# Altium PCB PCB2.PcbDoc (part 2 of 2)
Units mil, origin at the board's own origin, x right, y up, seen from the top; angles counter-clockwise.
Board outline 4322 x 2063 mil, 2 copper layers (Top Layer, Bottom Layer); 126 components, 114 nets, 474 pads, 142 vias.
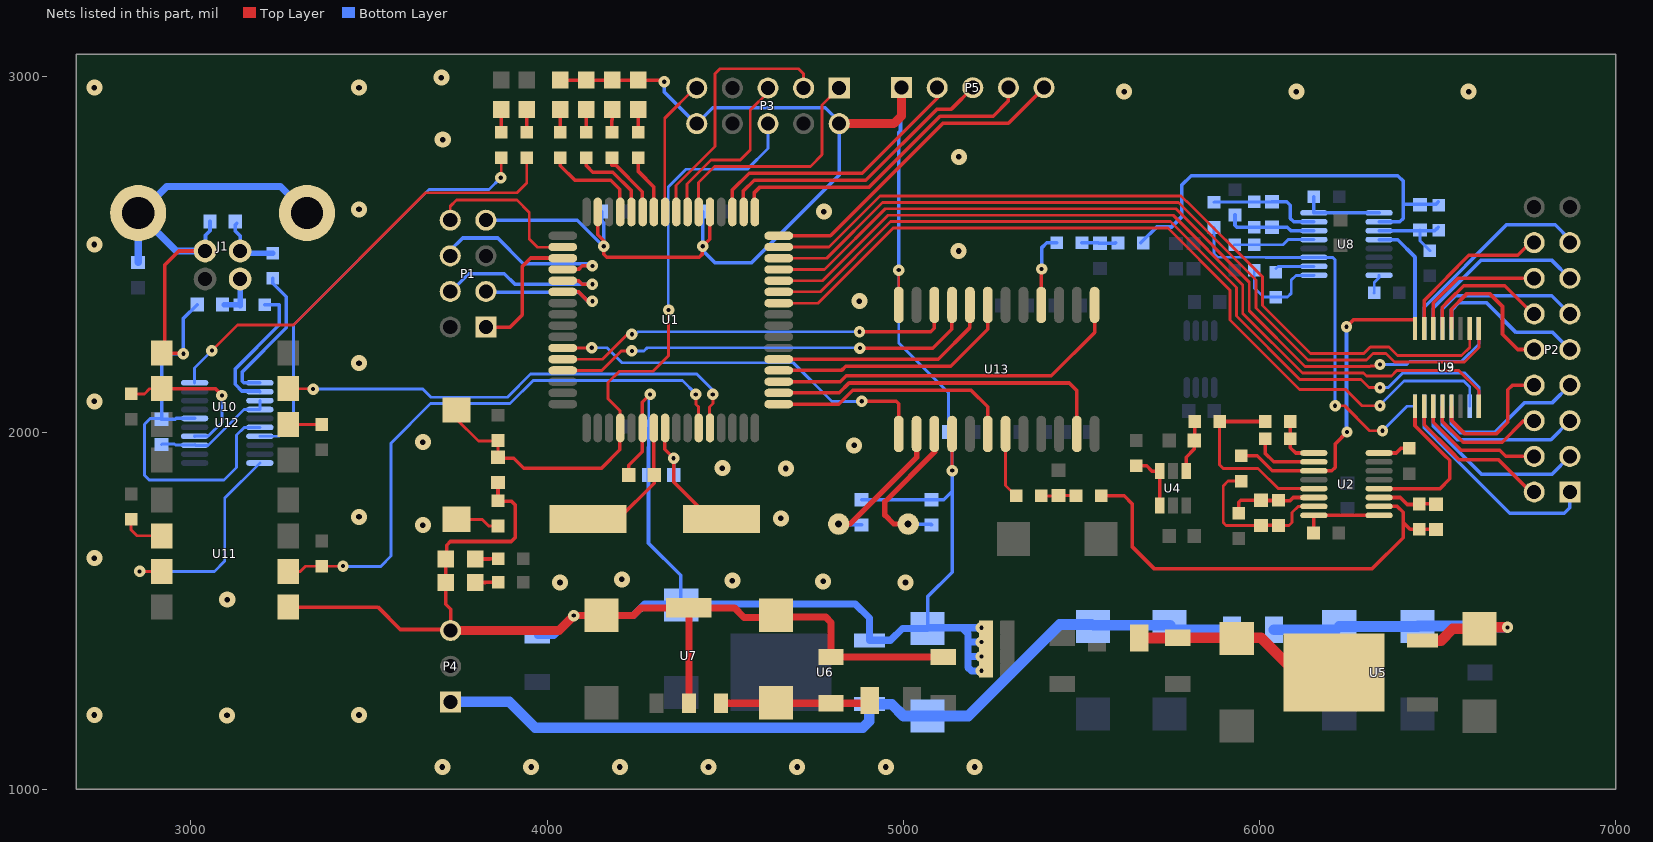
[diagram p2: the nets of this part, all layers, seen from the top]

## Via types
v1: diameter 32, hole 11.81, Top Layer to Bottom Layer, 74 vias
v2: diameter 45, hole 15.75, Top Layer to Bottom Layer, 68 vias

## Nets (pads, with @x,y where several pads share a name; then routed paths per layer and width w, separated by ;. In a path a pad name is that pad's centre, name@x,y a point inside that pad or via, vN(x,y) a via of type N, cw(c..) or ccw(c..) an arc to the next point about the centre after c; other vN are vias at no path point) (continued)
AT_NRST: C1.2 P3.6 R1.1 S1.2 U1.20 | length 1868.2
  Top Layer w8: S1.2@3745,2066 3745,2064.54 3745,2039 3807,1977 3862,1977 R1.1@3863,1977 ; C1.2@3862,1931.43 3862,1975 R1.1@3863,1976 ; U1.20@4204,2010 4204.27,2010.27 4205,2011 4205,2013.85 4205,2062 4171,2096 4171,2141 4203,2173 4297.59,2173 4341,2216.41 v1(4341,2345)
  Top Layer w10: C1.2@3861,1929 3862,1929 3906,1929 3934,1901 4152.72,1901 4204.27,1952.55 4204.27,2010.27 U1.20@4204.27,2013.85
  Bottom Layer w8: v1@4340,2345 4340,2690 4390,2740 4562,2740 4620,2798 P3.6@4620,2868
BUFFER_: U1.35 U13.13 | length 1022.2
  Top Layer w10: U1.35@4649.15,2143.78 U1.35@4650.15,2143.77 4823.06,2143.78 4839.28,2160 5415,2160 5537,2282 U13.13@5537,2359.1
CS_ADC_: U1.36 U13.19 | length 703.9
  Top Layer w10: U1.36@4649.15,2175.28 U1.36@4650.15,2175.27 4826.28,2175.28 4838,2187 5133,2187 5237,2291 U13.19@5237,2359.1
DRDY_: U1.37 U13.20 | length 638.7
  Top Layer w10: U1.37@4649.15,2206.77 4649.65,2207.27 4650.38,2208 4673,2208 4674,2207 5098,2207 5187,2296 U13.20@5187,2359.1
FTDI_RXD: U1.28 U10.3 | length 1358.7
  Top Layer w8: U10.3@3273,2124 3343,2124 v1@3344,2124 ; U1.28@4456.24,2013.86 4456.24,2072.24 4466,2082 4466,2107 v1(4465,2108)
  Bottom Layer w8: v1(3343,2123) 3651,2123 3674,2100 3888.54,2100 3953.54,2165 4420,2165 4465,2120 v1(4465,2108)
FTDI_RXD_IS: R37.1 U10.6 U12.4 | length 443.4
  Top Layer w8: R37.1@2826,2109.43 R37.1@2832,2109.43 2869.43,2109.43 2884,2124 U10.6@2918,2124
  Top Layer w10: U10.6@2918,2124 3069,2124 v1@3087.5,2105.5
  Bottom Layer w8: U12.4@3010.96,1991 3048.46,1991 3087,2029.54 v1(3087,2105)
  Bottom Layer w10: U12.4@3010.46,1990.5 U12.4@3010.96,1991
FTDI_TXD: R38.1 U1.27 U11.6 | length 1662.2
  Top Layer w8: U11.6@3273,1611 3307,1611 3321.57,1625.57 R38.1@3367,1625.57 3425.57,1625.57 3426.5,1626.5 v1@3427,1627 ; v1(4417,2108) 4418,2107 4418,2080 4424.74,2073.26 U1.27@4424.74,2013.86
  Bottom Layer w8: v1@3432,1625 3533,1625 3562,1654 3562,1971 3673,2082 3896,2082 3961,2147 4380,2147 4417,2110 v1(4417,2108)
  other v1: 3427,1626
FTDI_TXD_IS: U11.3 U12.20 | length 625.2
  Top Layer w8: v1@2861,1609 2863,1611 U11.3@2918,1611
  Bottom Layer w8: v1(2856,1611) 3066,1611 3095,1640 3095,1816.96 U12.20@3193.54,1915.5
GND: C1.1 C2.1 C3.1 C4.1 C5.1 C6.1 C22.2 C23.1 C25.2 C26.2 C27.2 C28.1 C29.1 C44.1 C45.1 C46.1 D1.2 D2.2 D3.2 D4.2 D5.2 D8.2 J2.1 J3.1 J4.1 J5.1 P1.7 P3.2 P3.10 P4.3 P5.1 R3.2 U1.22 U1.53 U1.63 U6.1 U7.2 U7.4 U11.5 U13.4 U13.24 | length 10389.1
  Top Layer w8: U13.24@4987,2359.1 v1(4987,2457) ; v1(5137,1894) U13.4@5137,1996.9
  Top Layer w10: U11.5@3273,1511 3525,1511 3588,1448 3724,1448 P4.3@3729,1443 ; P4.3@3729,1445 3729,1505 3715.35,1518.65 D5.2@3715.35,1580 D8.2@3715.35,1646 3718,1648.65 3718,1685 3728,1695 3899,1695 3910,1706 3910,1798 3900,1808 R3.2@3862,1808 ; R3.2@3862,1809.6 C1.1@3862,1855 ; D1.2@4037.01,2990.34 D2.2@4110.01,2990.34 D3.2@4183.01,2990.34 D4.2@4256.01,2990.34 4323.66,2990.34 v1@4328,2986 ; U1.63@4141.28,2620.16 4142,2619.43 4142,2556 4159,2539 v1(4159,2524) 4159,2501 4167,2493 4427,2493 4436,2502 v1@4436,2523 ; C3.1@4229.57,1883 4229.57,1909.57 4267.26,1947.26 4267.26,2086.26 v1(4289,2108) ; v1(4437,2524) 4456.24,2543.24 U1.53@4456.24,2620.16
  Top Layer w20: v1(4075,1487) 4152.17,1487 C26.2@4153,1487.83 4242.83,1487.83 4263.86,1508.86 U7.4@4398,1508.86 ; U7.2@4399,1238 4398,1239 U7.2@4398,1241.14 U7.4@4398,1508.86 ; C29.1@5112,1370.96 C28.1@4797,1370.96 4797,1468 4782,1483 4638.17,1483 4637.17,1482 4553,1482 4526.14,1508.86 U7.4@4398,1508.86
  Top Layer w25: P4.3@3728,1445 P4.3@3729,1445 4033,1445 v1(4075,1487) ; P3.2@4820,2868 4973,2868 4995,2890 P5.1@4995,2969
  Bottom Layer w8: C6.1@4285.43,2018 4285.43,2104.43 v1(4289,2108) ; v1(4987,2457) 4987,2252 5126.57,2112.43 C44.1@5126.57,2002 5126.57,1978.32 5137,1967.88 v1(5137,1894)
  Bottom Layer w10: P1.7@3828,2597 4085,2597 v1@4158,2524 ; C5.1@4152.57,2621 4152.57,2596.32 4159,2589.88 v1(4159,2524) ; v1@4287.43,2109.57 v1(4289,2108) ; C6.1@4288,2018 4285,2015 4285,1960 4284.57,1959.57 C2.1@4284.57,1882 4284.57,1690.43 4375,1600 4375,1518.28 C22.2@4375,1518 ; v1(4329,2986) 4329,2957 P3.10@4419,2867 ; P3.10@4420,2868 4465,2913 4781,2913 4821,2873 P3.2@4821,2867 ; C4.1@4436.57,2621 4436.57,2596.32 4437,2595.88 v1(4437,2524) 4437,2512 4472,2477 4573,2477 4820,2724 P3.2@4820,2868 ; C45.1@4883,1812.43 C46.1@5079,1812.43 5113.43,1812.43 5137,1836 ; v1(4987,2457) 4987,2844 4992,2849 4992,2967 P5.1@4995,2970 ; C25.2@5068,1454 5068,1540 5137,1609 5137,1836 ; v1(5137,1894) 5137,1836
  Bottom Layer w20: C23.1@3972.53,1430.96 4018.96,1430.96 v1(4075,1487) 4242,1487 4274,1519 4374.28,1519 4375,1518.28 C22.2@4376.45,1516.83 ; C22.2@4376.45,1519.83 4865.17,1519.83 4904.68,1480.32 U6.1@4904.68,1417.76 4964.21,1417.76 4997.28,1450.83 C25.2@5064.83,1450.83 ; C25.2@5067.45,1450.83 5069.61,1453 5165,1453 ; v1(5219,1332) 5191,1332 5181,1342 5181,1374 ; v1(5219,1372.33) 5182.67,1372.33 5181,1374 ; v1(5219,1412.67) 5182.33,1412.67 5181,1414 ; v1(5219,1453) 5165,1453 ; 5165,1453 5181,1437 5181,1414 ; 5181,1374 5181,1414
  other v2: 3706,1062 3955,1062 4204,1062 4453,1062 4702,1062 4951,1062 5200,1062 4036,1580 5006,1580 4775,1583 4520,1585 4210,1589 3651,1741 4656,1760 4670,1900 4492,1901 4862,1965 3651,1974 4876.5,2370 5155.13,2510.58 4777,2621 5156,2775 3707,2823 5620,2958 6103.5,2958 6587,2958 3703,2997
LED1: R6.2 U1.58 | length 170
  Top Layer w10: R6.2@4256.28,2772.56 4256.28,2733.72 4298.76,2691.24 U1.58@4298.76,2620.16
LED2: R5.2 U1.59 | length 193.9
  Top Layer w10: R5.2@4182.01,2772.56 4182.01,2752 4192.61,2752 4267.26,2677.35 U1.59@4267.26,2620.16
LED3: R4.2 U1.60 | length 237.4
  Top Layer w10: R4.2@4110.28,2772.56 4110.28,2749.72 4128,2732 4184.32,2732 4235.76,2680.56 U1.60@4235.76,2620.16
LED4: R2.2 U1.61 | length 280.8
  Top Layer w10: R2.2@4037.28,2772.56 4037.28,2749.72 4078,2709 4179.04,2709 4204.27,2683.77 U1.61@4204.27,2620.16
MCLK_N: C45.2 U13.2 XT1.1 | length 427.8
  Top Layer w15: XT1.1@4819,1744 4850,1744 5038,1932 5038,1995.9 U13.2@5037,1996.9
  Bottom Layer w10: XT1.1@4818.36,1744 4820.8,1741.57 C45.2@4883,1741.57
MCLK_P: C46.2 U13.3 XT1.2 | length 449.7
  Top Layer w10: XT1.2@5013.64,1744 XT1.2@5013.64,1765
  Top Layer w15: XT1.2@5013.64,1744 4973,1744 4948,1769 4948,1806.64 5088,1946.64 5088,1995.9 U13.3@5087,1996.9
  Bottom Layer w10: XT1.2@5013.64,1744 5076.57,1744 C46.2@5079,1741.57
MOS_CS: R11.1 U2.3 U3.8 | length 897.1
  Top Layer w10: R11.1@5949,1935.43 5993.57,1935.43 6035.5,1893.5 U2.3@6152.46,1893.5 6202.5,1893.5 6212,1903 6212,1969 v1(6245.5,2002.5) ; v1(6244,2298) 6263,2317 U3.8@6436.43,2317
  Bottom Layer w10: v1(6244,2298) 6244,2002.5 6244,2001 v1(6245.5,2002.5)
MOS_VS: U2.12 U3.9 | length 454
  Top Layer w10: U2.12@6335.54,1843.5 6506.5,1843.5 6534,1871 6534,1922.72 6518.75,1937.97 6518.75,1938.05 6436.43,2020.37 U3.9@6436.43,2074.75
MUX_A0_M: U1.46 U3.1 | length 2348
  Top Layer w8: U1.46@4649.15,2490.24 U1.46@4650.15,2490.23 4784.85,2490.24 4941.61,2647 5772.39,2647 5990,2429.39 5990,2350.54 6135.54,2205 6300,2205 6318,2223 6325,2223 ; 6325.57,2223 6355,2223 6379.04,2198.96 6574.96,2198.96 6615.57,2239.57 U3.1@6615.57,2293.25
MUX_A0_P: U1.43 U9.1 | length 2375.5
  Top Layer w8: U1.43@4649.15,2395.75 4649.4,2396 4650.15,2396 4766.98,2396 4963.98,2593 5750.02,2593 5935,2408.02 5935,2327.76 6112.76,2150 6284.54,2150 6307.54,2127 v1(6338,2127)
  Bottom Layer w8: v1(6338,2127) 6361.09,2127 6402.09,2168 6576.46,2168 6615.57,2128.89 U9.1@6615.57,2074.75
MUX_A1_M: U1.44 U3.16 | length 2349.9
  Top Layer w8: U1.44@4649.15,2427.24 U1.44@4650.15,2427.24 4772.77,2427.24 4956.52,2611 5757.48,2611 5953,2415.48 5953,2335.22 6120.22,2168 6292,2168 6300,2160 6370,2160 6385,2175 6559.36,2175 6615.57,2118.79 U3.16@6615.57,2074.75
MUX_A1_P: U1.45 U9.16 | length 2337.7
  Top Layer w8: U1.45@4649.15,2458.74 U1.45@4650.15,2458.73 4778.81,2458.74 4949.07,2629 5764.93,2629 5971,2422.93 5971,2342.67 6127.67,2186 6309.38,2186 6311.38,2188 6334,2188 v1(6338,2192)
  Bottom Layer w8: v1(6338,2192) 6413,2192 6421,2200 6566.36,2200 6615.57,2249.21 U9.16@6615.57,2293.25
MUX_EN_M: U1.47 U3.2 | length 2310.5
  Top Layer w8: U1.47@4649.15,2521.73 U1.47@4650.15,2521.72 4790.89,2521.73 4934.15,2665 5779.84,2665 5794.95,2649.89 5796.37,2649.89 6008,2438.26 6008,2358 6143,2223 6292.54,2223 6309.77,2240.23 6310.23,2240.23 6311,2241 6363,2241 6387.04,2216.96 6566.96,2216.96 6589.98,2239.98 U3.2@6589.98,2293.25
MUX_EN_P: U1.42 U9.2 | length 2375.7
  Top Layer w8: U1.42@4649.15,2364.25 4649.4,2364 4650.15,2364 4760.43,2364 4971.43,2575 5742.56,2575 5917,2400.57 5917,2317 6112.06,2121.94 6241.94,2121.94 6287.88,2076 v1(6338,2076)
  Bottom Layer w8: v1(6338,2076) 6338,2078.46 6405.54,2146 6573,2146 6589.98,2129.02 U9.2@6589.98,2074.75
NetC2_2: C2.2 U1.24 Y1.2 | length 386.4
  Top Layer w10: U1.24@4330.25,2013.85 4330.25,1953.75 v1(4355,1929) 4355,1862 4459,1758 Y1.2@4489.01,1758
  Bottom Layer w10: v1(4355,1929) 4355,1882.43 C2.2@4355.43,1882
NetC3_2: C3.2 U1.23 Y1.1 | length 382.2
  Top Layer w10: Y1.1@4114.99,1758 4200,1758 4300.43,1858.43 C3.2@4300.43,1882 ; U1.23@4298.76,2013.85 4298.76,1884.68 C3.2@4300.43,1883
NetC7_1: C7.1 R7.1 R9.2 U2.6 | length 280.5
  Top Layer w10: R9.2@5942,1774.43 5942,1805 5947.94,1810.94 C7.1@6004.56,1810.94 R7.1@6052.99,1810.94 ; C7.1@6019.99,1808.94 6052.99,1808.94 6084.94,1808.94 6094.5,1818.5 U2.6@6152.46,1818.5
NetC7_2: C7.2 R7.2 R11.2 U2.7 | length 455.9
  Top Layer w8: R11.2@5949,1864.57 5911.57,1864.57 5898,1851 5898,1748 5905.93,1740.08 C7.2@6004.56,1740.08 ; R7.2@6052.99,1740.08 6083.07,1740.08 6091,1748 6091,1776 6108.5,1793.5 U2.7@6152.46,1793.5
  Top Layer w10: C7.2@6004.56,1740.08 R7.2@6052.99,1740.08
NetC9_1: C9.1 R15.2 U2.11 | length 169.3
  Top Layer w10: U2.11@6335.54,1818.5 6395.25,1818.5 6414.75,1799 6446.57,1799 R15.2@6448,1800.43 6494.75,1800.43 C9.1@6495.74,1799.44
NetC9_2: C9.2 R15.1 R17.2 U2.10 | length 1284.4
  Top Layer w10: R17.2@5555.43,1823.15 5619.85,1823.15 5642,1801 5642,1681 5705,1618 6315,1618 6403,1706 6403,1777 6386.5,1793.5 U2.10@6335.54,1793.5 ; 6404,1748 6422.43,1729.57 R15.1@6448,1729.57 6494.75,1729.57 C9.2@6495.74,1728.57
NetC11_2: C11.2 R14.1 U4.4 | length 149.1
  Top Layer w10: U4.4@5794.36,1892.48 5794.36,1931.99 5816.93,1954.56 C11.2@5816.93,1979.25 5817.57,1979.88 R14.1@5817.57,2032
NetC12_2: C12.2 R16.2 R17.1 | length 97.9
  Top Layer w8: R16.2@5387.43,1823.15 5435.02,1823.15 C12.2@5436,1824.13 5483.58,1824.13 R17.1@5484.57,1823.15
NetC14_1: C14.1 C15.2 L1.1 U5.4 | length 588.1
  Top Layer w30: L1.1@5662.06,1424 5769.04,1424 C15.2@5770,1424.96 5936,1424.96 5938.96,1424.96 5939,1425 6004,1425 6102,1327 U5.4@6209.2,1327
NetC27_1: C27.1 C28.2 L4.1 U7.3 | length 420.7
  Top Layer w20: U7.3@4488.55,1241.14 4641.98,1241.14 4642.08,1241.04 4643,1241.04 C28.2@4797,1241.04 L4.1@4897.98,1241.04
  Top Layer w30: L4.1@4897.98,1241.04 L4.1@4905.94,1249
NetC31_1: C31.1 R21.1 R22.2 U8.6 | length 256.5
  Bottom Layer w10: R22.2@5931,2611.57 5931,2583 5936.44,2577.56 R21.1@5984.75,2577.56 C31.1@6034.75,2577.56 6078,2577.56 6088.06,2567.5 U8.6@6152.46,2567.5
NetC31_2: C31.2 R21.2 R23.2 U8.7 | length 325.7
  Bottom Layer w8: R23.2@5872,2647.43 5873,2648.43 R21.2@5984.75,2648.43 C31.2@6034.75,2648.43
  Bottom Layer w10: C31.2@6034.75,2648.43 6076.57,2648.43 6086,2639 6086,2602 6095.5,2592.5 U8.7@6152.46,2592.5
NetC32_1: C32.1 R24.1 R26.2 U8.11 | length 240.4
  Bottom Layer w8: C32.1@6450,2569.57 6450,2567.5 6450,2539.43 R26.2@6478,2511.43
  Bottom Layer w10: U8.11@6335.54,2567.5 6450,2567.5 6491.93,2567.5 6498,2573.57 R24.1@6502,2577.57
NetC32_2: C32.2 R24.2 R28.2 U8.10 | length 1151.1
  Bottom Layer w10: R28.2@5666.43,2533.42 5669.72,2536.71 5711.02,2578 5753,2578 5781,2606 5781,2695 5808,2722 6388,2722 6403,2707 6403,2642 ; U8.10@6335.54,2592.5 6393.5,2592.5 6403,2602 6403,2642 ; R24.2@6502,2648.43 6498,2644.43 6495.57,2642 6450,2642 6403,2642
NetC33_2: C33.2 R27.2 R28.1 | length 94.9
  Bottom Layer w10: R27.2@5501.43,2533.42 5547.01,2533.42 5548,2532.43 C33.2@5552,2532.43 5594.58,2532.43 R28.1@5595.57,2533.42
NetC39_2: C39.2 U12.3 U12.13 U12.14 | length 346.6
  Bottom Layer w8: C39.2@2917,1967.57 2918.43,1969 2954,1969 2957.5,1965.5 U12.3@3010.46,1965.5 ; U12.3@3011,1967 3011.48,1966.52 3013,1965 3047.91,1965 3148.91,2066 3193.04,2066 U12.14@3193.54,2065.5 U12.14@3193,2065 ; U12.14@3193.54,2065.5 U12.13@3193.54,2090.5
NetD1_1: D1.1 R2.1 | length 64.3
  Top Layer w10: D1.1@4037.01,2907.66 4037.01,2879.04 4037.28,2878.76 R2.1@4037.28,2843.43
NetD2_1: D2.1 R4.1 | length 64.3
  Top Layer w10: D2.1@4110.01,2907.66 4110.01,2879.04 4110.28,2878.76 R4.1@4110.28,2843.43
NetD3_1: D3.1 R5.1 | length 64.6
  Top Layer w10: R5.1@4182.01,2843.43 4182.01,2878.04 4183.01,2879.04 D3.1@4183.01,2907.66
NetD4_1: D4.1 R6.1 | length 64.3
  Top Layer w10: D4.1@4256.01,2907.66 4256.01,2866.42 4256.28,2866.15 R6.1@4256.28,2843.43
NetD5_1: D5.1 R18.1 | length 64.3
  Top Layer w10: D5.1@3798.02,1580 3826.65,1580 3826.92,1580.27 R18.1@3862.25,1580.27
NetD6_2: D6.2 R33.2 | length 65.7
  Top Layer w10: R33.2@3871,2842 R33.2@3871,2843.43 D6.2@3871,2907.66
NetD7_2: D7.2 R34.2 | length 64.1
  Top Layer w10: D7.2@3943,2907.66 3943,2845 3943.65,2844.35 R34.2@3944,2844
NetD8_1: D8.1 R40.1 | length 64.3
  Top Layer w10: D8.1@3798.02,1646 3839.26,1646 3839.54,1646.27 R40.1@3862.25,1646.27
NetP1_1: P1.1 U1.3 | length 378.4
  Top Layer w10: P1.1@3828,2297 3896,2297 3930,2331 3930,2467 3954,2491 4043.85,2491 4045,2491 U1.3@4046,2492
NetP1_3: P1.3 U1.6 | length 409.5
  Top Layer w10: U1.6@4042.85,2395.75 U1.6@4043.85,2395.74 4088.25,2395.75 4114,2370 4127,2370 4127.38,2369.62 4128,2369 v1@4128,2363
  Bottom Layer w10: P1.3@3829,2395 4089,2395 4115,2369 4117,2369 4121.88,2364.12 v1@4123,2363
  other v1: 4127,2369.24
NetP1_4: P1.4 U1.5 | length 521.7
  Top Layer w10: U1.5@4042.85,2427.24 U1.5@4043.85,2427.24 4088.2,2427.24 4098.45,2417 4126.5,2417 4126.87,2417.37 4127,2417.5 v1(4127,2417.24)
  Bottom Layer w10: P1.4@3728,2395 3729,2396 3780,2447 3880,2447 3909.76,2417.24 v1(4127,2417.24)
NetP1_6: P1.6 U1.4 | length 550.8
  Top Layer w10: U1.4@4042.85,2458.74 U1.4@4043.85,2458.73 4088.2,2458.74 4098.46,2469 4107,2469 4107.26,2468.74 v1(4127,2468.74)
  Bottom Layer w10: P1.6@3727,2496 3727,2497 3727,2511 3763,2547 3861,2547 3933,2475 4120.74,2475 v1(4127,2468.74)
NetP1_8: P1.8 U1.2 | length 461.7
  Top Layer w8: P1.8@3728,2596 P1.8@3728,2597 3728,2636 3746,2654 3915,2654 3950,2619 3950,2544 3973,2521 4039,2521 4041.79,2523.79 U1.2@4042,2524
NetP2_1: P2.1 U9.7 | length 619.8
  Bottom Layer w10: U9.7@6462.02,2074.75 6462.02,2013.98 6702,1774 6855,1774 6871,1790 P2.1@6871,1834
NetP2_2: P2.2 U3.10 | length 439
  Top Layer w10: U3.10@6462.02,2074.75 6462.02,2023.06 6538.75,1946.33 6538.75,1946.25 6561,1924 6671,1924 6761,1834 P2.2@6771,1834
NetP2_3: P2.3 U9.6 | length 515.5
  Bottom Layer w10: U9.6@6487.61,2074.75 6487.61,2019.39 6623,1884 6821,1884 P2.3@6871,1934
NetP2_4: P2.4 U3.11 | length 368.3
  Top Layer w10: U3.11@6487.61,2074.75 6487.61,2029.39 6550.57,1966.43 6550.57,1966.33 6565.9,1951 6674,1951 6691,1934 P2.4@6771,1934
NetP2_5: P2.5 U9.5 | length 448.7
  Bottom Layer w10: U9.5@6513.2,2074.75 6513.2,2023.29 6555.5,1981 6818,1981 P2.5@6871,2034
NetP2_6: P2.6 U3.12 | length 349.4
  Top Layer w10: U3.12@6513.2,2074.75 6513.2,2032.08 6570.57,1974.72 6570.57,1974.62 6571.19,1974 6681,1974 6741,2034 P2.6@6771,2034
NetP2_7: P2.7 U9.4 | length 446.4
  Bottom Layer w10: U9.4@6538.8,2074.75 6538.8,2025.99 6563.78,2001 6660,2001 6743,2084 6821,2084 P2.7@6871,2134
NetP2_8: P2.8 U3.13 | length 397.9
  Top Layer w10: U3.13@6538.8,2074.75 6538.8,2034.77 6576.57,1997 6664,1997 6697,2030 6697,2121 6710,2134 P2.8@6771,2134
NetP2_9: P2.9 U9.13 | length 446.5
  Bottom Layer w10: U9.13@6538.8,2293.25 6538.8,2344.94 6558.85,2365 6637,2365 6720,2282 6823,2282 P2.9@6871,2234
NetP2_10: P2.10 U3.4 | length 413.2
  Top Layer w10: 6538.27,2347.3 6580.98,2390 6647,2390 6682,2355 6682,2277 6725,2234 P2.10@6769.98,2234 ; U3.4@6538.8,2293.25 6538.77,2346.8
NetP2_11: P2.11 U9.12 | length 448.8
  Bottom Layer w10: U9.12@6513.2,2293.25 6513.2,2347.64 6550.57,2385 6820,2385 P2.11@6871,2334
NetP2_12: P2.12 U3.5 | length 374.2
  Top Layer w10: U3.5@6513.2,2293.25 6513.18,2352.68 6531.25,2371.5 6572.75,2413 6688,2413 6767,2334 P2.12@6769.98,2334
NetP2_13: P2.13 U9.11 | length 516.5
  Bottom Layer w10: U9.11@6487.61,2293.25 6487.61,2350.33 6621.28,2484 6821,2484 P2.13@6871,2434
NetP2_14: P2.14 U3.6 | length 382.3
  Top Layer w10: U3.6@6487.61,2293.25 6487.59,2365 ; 6488,2365 6557,2434 P2.14@6769.98,2434
NetP2_15: P2.15 U9.10 | length 590.4
  Bottom Layer w10: U9.10@6462.02,2293.25 6462.02,2353.02 6693,2584 6830,2584 6871,2543 P2.15@6871,2534
NetP2_16: P2.16 U3.7 | length 441.2
  Top Layer w10: U3.7@6462,2298.25 6462,2371.63 6587.37,2499 6724.98,2499 6759.98,2534 P2.16@6762,2534
NetP3_1: P3.1 U1.54 | length 669.1
  Top Layer w8: U1.54@4424.74,2620.16 4425,2620.42 4425,2703 4470,2748 4739,2748 4772,2781 4772,2920 P3.1@4820,2968
NetP3_3: P3.3 U1.56 | length 733.7
  Top Layer w8: U1.56@4361.75,2620.16 4361.75,2694.75 4471,2804 4471,3008 4485,3022 4706,3022 4720,3008 P3.3@4720,2968
NetP3_5: P3.5 U1.55 | length 486.1
  Top Layer w8: U1.55@4393,2624 4393,2699 4460,2766 4542,2766 4570,2794 4570,2906 4620,2956 P3.5@4620,2968
NetP3_9: P3.9 U1.57 | length 387.9
  Top Layer w8: U1.57@4330.25,2620.16 4330.25,2883.25 4415,2968 P3.9@4420,2968
NetP5_2: P5.2 U1.51 | length 772.9
  Top Layer w10: U1.51@4519,2621 4520,2622 4520,2682 4567,2729 4885,2729 5095,2939 P5.2@5095,2969
NetP5_3: P5.3 U1.50 | length 819.1
  Top Layer w10: U1.50@4551,2624 4551,2679 4581,2709 4894.72,2709 5094.72,2909 5135,2909 P5.3@5195,2969
NetP5_4: P5.4 U1.49 | length 910.5
  Top Layer w10: U1.49@4582,2621 4582,2675 4596,2689 4903,2689 5103,2889 5252,2889 5295,2932 P5.4@5295,2969
NetP5_5: P5.5 U1.48 | length 919.7
  Top Layer w10: U1.48@4651,2555 4651,2554 4650,2553 4795.28,2553 5111.28,2869 5295,2869 P5.5@5395,2969
NetR3_1: R3.1 S1.1 | length 123
  Top Layer w8: S1.1@3747,1758 3748,1757 3818,1757 3836.27,1738.73 R3.1@3862,1738.73
NetR8_2: R8.2 U2.16 | length 103.2
  Top Layer w10: U2.16@6335.54,1943.5 6383.5,1943.5 6397.43,1957.43 6420,1957.43 R8.2@6433,1957.43
NetR10_2: R10.2 U2.8 U2.9 | length 232.9
  Top Layer w10: R10.2@6151.57,1719 6152.46,1719.9 U2.8@6152.46,1768.5 U2.9@6335.54,1768.5
NetR12_1: R12.1 R13.2 U2.1 | length 145.7
  Top Layer w10: R13.2@6086.43,2032 R12.1@6086.43,1984 6086.43,1958.57 6101.5,1943.5 U2.1@6152.46,1943.5
NetR12_2: R12.2 U2.2 | length 188.4
  Top Layer w10: R12.2@6015.57,1984 6016,1983.57 6016,1942 6039.5,1918.5 U2.2@6152.46,1918.5
NetR13_1: R13.1 R14.2 U2.5 | length 541.6
  Top Layer w8: R14.2@5888,2032 5888,1910 5898.01,1899.99 5996.01,1899.99 6052.5,1843.5 U2.5@6152.46,1843.5
  Top Layer w10: R14.2@5888,2032 R14.2@5888.43,2032 R13.1@6015.57,2032
NetR16_1: R16.1 U13.7 | length 186
  Top Layer w8: U13.7@5287,1996.9 5287,1852.72 R16.1@5316.57,1823.15
NetR19_2: R19.2 U8.16 | length 55.3
  Bottom Layer w8: R19.2@6321.57,2393 6322,2393.43 6322,2422 6335.54,2435.54 U8.16@6335.54,2442.5
NetR20_2: R20.2 U8.8 U8.9 | length 228.6
  Bottom Layer w10: R20.2@6152.57,2663 6152.46,2662.9 U8.8@6152.46,2617.5 U8.9@6335.54,2617.5
NetR25_1: R25.1 U8.2 | length 109
  Bottom Layer w8: R25.1@6046,2461.43 6052.07,2467.5 U8.2@6152.46,2467.5
NetR25_2: R25.2 R29.2 U8.1 | length 298.4
  Bottom Layer w8: R29.2@5985,2457.07 5985,2407 6011,2381 6045,2381 6078,2381 6089,2392 6089,2429 6102,2442 6151.96,2442 U8.1@6152.46,2442.5 U8.1@6129.5,2442.5
NetR27_1: R27.1 U13.16 | length 208.8
  Top Layer w10: U13.16@5387,2359.1 5387,2459 v1(5388,2460)
  Bottom Layer w10: v1(5388,2460) 5388,2519 5402.42,2533.42 R27.1@5430.57,2533.42
NetR29_1: R29.1 R30.2 U8.5 | length 228.5
  Bottom Layer w8: R30.2@5930,2527.93 R29.1@5985,2527.93 6065.93,2527.93 6080.5,2542.5 U8.5@6152.46,2542.5
NetR33_1: R33.1 U12.17 | length 1193.3
  Top Layer w8: v1(3870,2716) 3871,2717 R33.1@3871,2772.56
  Bottom Layer w8: U12.17@3193.54,1990.5 3247.5,1990.5 3288,2031 3288,2303 3668,2683 3837,2683 v1(3870,2716)
NetR34_1: R34.1 U12.10 | length 1260.1
  Top Layer w8: v1(3059,2231) 3131,2303 3288,2303 3659,2674 3915,2674 3942.73,2701.73 R34.1@3942.73,2772.56
  Bottom Layer w8: U12.10@3010.46,2140.5 3010.46,2182.46 v1(3059,2231)
NetR35_1: R35.1 U10.2 | length 92.6
  Top Layer w8: U10.2@3275,2025 3276.57,2023.43 R35.1@3367,2023.43
NetR36_1: R36.1 U11.2 | length 122.5
  Top Layer w8: R36.1@2831,1757 2831.22,1756.78 2832,1756 2832,1728 2849,1711 U11.2@2918,1711
NetR39_2: R39.2 U4.1 U4.6 | length 168.3
  Top Layer w10: R39.2@5654,1907.57 5683,1907.57 5698.09,1892.48 U4.6@5719.56,1892.48 U4.1@5719.56,1796.02
NetU1_11: U1.11 U13.1 | length 1110
  Top Layer w8: U1.11@4042.85,2238.27 U1.11@4043.85,2238.26 v1@4125,2238.27
  Top Layer w10: v1(4883,2089) 4980,2089 4987,2082 U13.1@4987,1996.9
  Bottom Layer w8: v1(4125,2239) 4168,2239 4210,2197 4691,2197 4800,2088 4871.5,2088 4877.75,2094.25 4883,2099.5 v1(4883,2089)
NetU1_12: U1.12 U13.22 | length 1145.4
  Top Layer w8: U1.12@4042.85,2206.77 U1.12@4043.85,2206.76 4155.77,2206.77 4226,2277 v1@4235,2277
  Top Layer w10: v1(4877,2284) 5077,2284 5087,2294 U13.22@5087,2359.1
  Bottom Layer w8: v1@4235,2277 v1(4238,2277) 4247.92,2277 4254.92,2284 v1(4877,2284)
NetU1_13: U1.13 U13.21 | length 1208.5
  Top Layer w8: U1.13@4042.85,2175.28 U1.13@4043.85,2175.27 4153.28,2175.28 4208,2230 v1(4238,2230)
  Top Layer w10: v1(4878,2238) 5083,2238 5136,2291 5136,2358.1 U13.21@5137,2359.1
  Bottom Layer w8: v1(4238,2230) 4272,2230 4281,2239 v1@4876.5,2239
RESET_ADC_: U1.33 U13.6 | length 699.7
  Top Layer w10: U1.33@4649.15,2080.79 U1.33@4650.15,2080.78 4818.79,2080.79 4858,2120 5190,2120 5237,2073 U13.6@5237,1996.9
RTD_CS: R23.1 U8.3 U9.8 | length 1112.5
  Top Layer w8: v1(6212,2076) 6239,2076 6309,2006 v1(6345,2006)
  Bottom Layer w8: R23.1@5872,2576.57 5872,2503 5882,2493 6017,2493 6017.5,2492.5 U8.3@6152.46,2492.5 6205.5,2492.5 6212,2486 v1(6212,2076) ; v1(6345,2006) 6413.75,2074.75 U9.8@6436.43,2074.75
RTD_VS: U8.12 U9.9 | length 321.5
  Bottom Layer w10: U8.12@6335.54,2542.5 6387.5,2542.5 6436.43,2493.57 U9.9@6436.43,2293.25
STANDBY_: U1.34 U13.11 | length 980.1
  Top Layer w10: U1.34@4649.15,2112.28 U1.34@4650.15,2112.28 4819.85,2112.28 4847.57,2140 5466,2140 5487,2119 U13.11@5487,1996.9
USB2_N: R31.2 U12.12 | length 393.5
  Bottom Layer w10: U12.12@3193.54,2115.5 3191.41,2117.63 3143.09,2117.63 3124,2136.72 3124,2179.28 3248,2303.28 3248,2360 R31.2@3207.43,2360
USB2_P: R32.2 U12.11 | length 407.1
  Bottom Layer w10: U12.11@3193.54,2140.5 3148.5,2140.5 3144,2145 3144,2171 3268,2295 3268,2382 3230,2420 R32.2@3230,2433.57
USB-GND: C36.2 C37.1 C38.1 C39.1 J1.4 J1.MH U10.5 U12.6 U12.16 | length 2566.2
  Top Layer w10: U10.5@2916,2221 U10.5@2919,2224 ; U10.5@2918,2224 U10.5@2919,2224 ; v1@2980,2222 2978,2224 U10.5@2919,2224 ; J1.4@3039.79,2510.58 2965.58,2510.58 2926,2471 2926,2231 U10.5@2919,2224
  Bottom Layer w8: C39.1@2915.43,2040 2886,2040 2870,2024 2870,1881 2883,1868 3093,1868 3127.86,1902.86 3127.86,1993.86 3149.5,2015.5 U12.16@3193.54,2015.5
  Bottom Layer w10: C39.1@2915.43,2040 C39.1@2917,2038.43 ; U12.6@3010.46,2040.5 2958.5,2040.5 2956.43,2038.43 C39.1@2917,2038.43 ; C37.1@3017.57,2360 2979,2321.43 v1(2979,2222) 2936,2222 2918,2204 2918,2039.43 C39.1@2917,2038.43 ; J1.4@3041,2511 3041,2555 3053.57,2567.57 C38.1@3053.57,2594
  Bottom Layer w20: C36.2@2851.99,2478.43 J1.MH@2851.99,2617.28 J1.MH@2854.63,2614.63 ; J1.MH@2853,2613 J1.MH@2854.63,2614.63 ; J1.4@3039.79,2510.58 2958.68,2510.58 J1.MH@2854.63,2614.63 ; J1.MH@3326.01,2617.28 3251.28,2692 2932,2692 J1.MH@2854.63,2614.63
  other v2: 3101.27,1207 2729,1208 3472,1208 3102,1532 2729,1648.25 3472,1764.18 2729,2088.5 3472,2195.93 2729,2528.75 3472,2627.68 2729,2969 3472,2969
USB_N: C37.2 J1.2 R31.1 | length 121
  Bottom Layer w15: C37.2@3093,2360 3135.43,2360 3138.21,2357.21 J1.2@3138.21,2431.84
USB_P: C38.2 J1.3 R32.1 | length 179.1
  Bottom Layer w10: C38.2@3129,2588 3125,2584 3125,2566 3138.21,2552.79 J1.3@3138.21,2510.79
  Bottom Layer w15: J1.3@3138,2511 3138.21,2510.79 3144.57,2504.43 R32.1@3230,2504.43
VBATT: C17.1 C18.1 C25.1 L2.1 P4.1 U6.3 | length 2407.2
  Bottom Layer w20: C17.1@5527.27,1462 C17.1@5533.66,1460.04
  Bottom Layer w30: P4.1@3728,1245 P4.1@3729,1245 3894,1245 3967,1172 4886,1172 4904.68,1190.68 U6.3@4904.68,1238.24 4967.21,1238.24 5000.28,1205.17 C25.1@5067.45,1205.17 5182.17,1205.17 5439,1462 C17.1@5527.27,1462 ; C17.1@5533.66,1460.04 5747.66,1460.04 5748.66,1460.04 5749.93,1458.09 5757.05,1447.22 L2.1@5922.37,1447.22
VIN: C13.1 C19.1 C20.1 C21.2 L2.2 U5.3 | length 915.5
  Top Layer w30: U5.3@6457.23,1416.76 6509.13,1416.76 6542.2,1449.83 C13.1@6617,1449.83 6621.17,1454 v1(6696,1454)
  Bottom Layer w20: C19.1@6214.27,1447.22 C19.1@6223.66,1456.61
  Bottom Layer w30: L2.2@6040.48,1447.22 C19.1@6214.27,1447.22 ; C19.1@6223.66,1456.61 C20.1@6443.66,1456.61 6444.68,1457.62 C21.2@6618.66,1457.62 6622.28,1454 v1(6696,1454)
pads on no net: P1.5 P3.7 P3.8 P4.2 U1.1 U1.7 U1.8 U1.9 U1.10 U1.14 U1.15 U1.16 U1.17 U1.18 U1.19 U1.25 U1.26 U1.29 U1.30 U1.31 U1.32 U1.38 U1.39 U1.40 U1.41 U10.1 U10.4 U11.1 U11.4 U12.1 U12.2 U12.5 U12.7 U12.8 U12.9 U12.18 U12.19

## Polygon pours and split planes (outlines as drawn)
USB-GND on Bottom Layer "Top Layer-No Net" (solid, remove dead copper, pour order 12): 2678,3063 3574,3063 3574,1000 2678,1000
GND on Bottom Layer "Bottom-GND" (solid, remove dead copper, pour order 10): 5262,1000 5262,2823 7000,2823 7000,3063 3603,3063 3603,2935 3603,2725 3603,2559 3603,1000
AGND on Bottom Layer "Bottom-AGND" (solid, remove dead copper, pour order 8): 7000,1000 7000,2823 5262,2823 5262,2790 5262,1000
USB-GND on Top Layer "Top Layer-No Net" (solid, remove dead copper, pour order 11): 2678,3063 3574,3063 3574,1000 2678,1000
GND on Top Layer "Top-GND" (solid, remove dead copper, pour order 9): 5262,1000 5262,2823 7000,2823 7000,3063 3603,3063 3603,2935 3603,2725 3603,2559 3603,1000
AGND on Top Layer "Top-AGND" (solid, remove dead copper, pour order 7): 7000,1000 7000,2823 5262,2823 5262,2790 5262,1000

## Silkscreen, mask and mechanical layers (free items; w line width, h text height)
Top Overlay:
  text "GND" at 4965.01,2902 h60 r270
  text "B2" at 5065.01,2902 h60 r270
  text "B1" at 5165.01,2902 h60 r270
  text "A1" at 5265.01,2902 h60 r270
  text "A2" at 5365.01,2902 h60 r270
Mechanical 13:
  lines w10: 5262,2178 5262,2822 6942,2822 6942,2784

## Text inside footprints (layer, text, board x,y; h text height)
P1: Top Overlay "2" at 3748,2197 h50 r90; Top Overlay "1" at 3848,2217 h50 r90; Top Overlay "7" at 3848,2657 h50 r90; Top Overlay "8" at 3748,2657 h50 r90
P2: Top Overlay "18" at 6791,2714 h50 r90; Top Overlay "17" at 6891,2714 h50 r90; Top Overlay "1" at 6891,1734 h50 r90; Top Overlay "2" at 6791,1714 h50 r90
P3: Top Overlay "2" at 4920,2888 h50 r180; Top Overlay "1" at 4900,2988 h50 r180; Top Overlay "9" at 4360,2988 h50 r180; Top Overlay "10" at 4360,2888 h50 r180